# KiCad board motorgo_core_panel.kicad_pcb
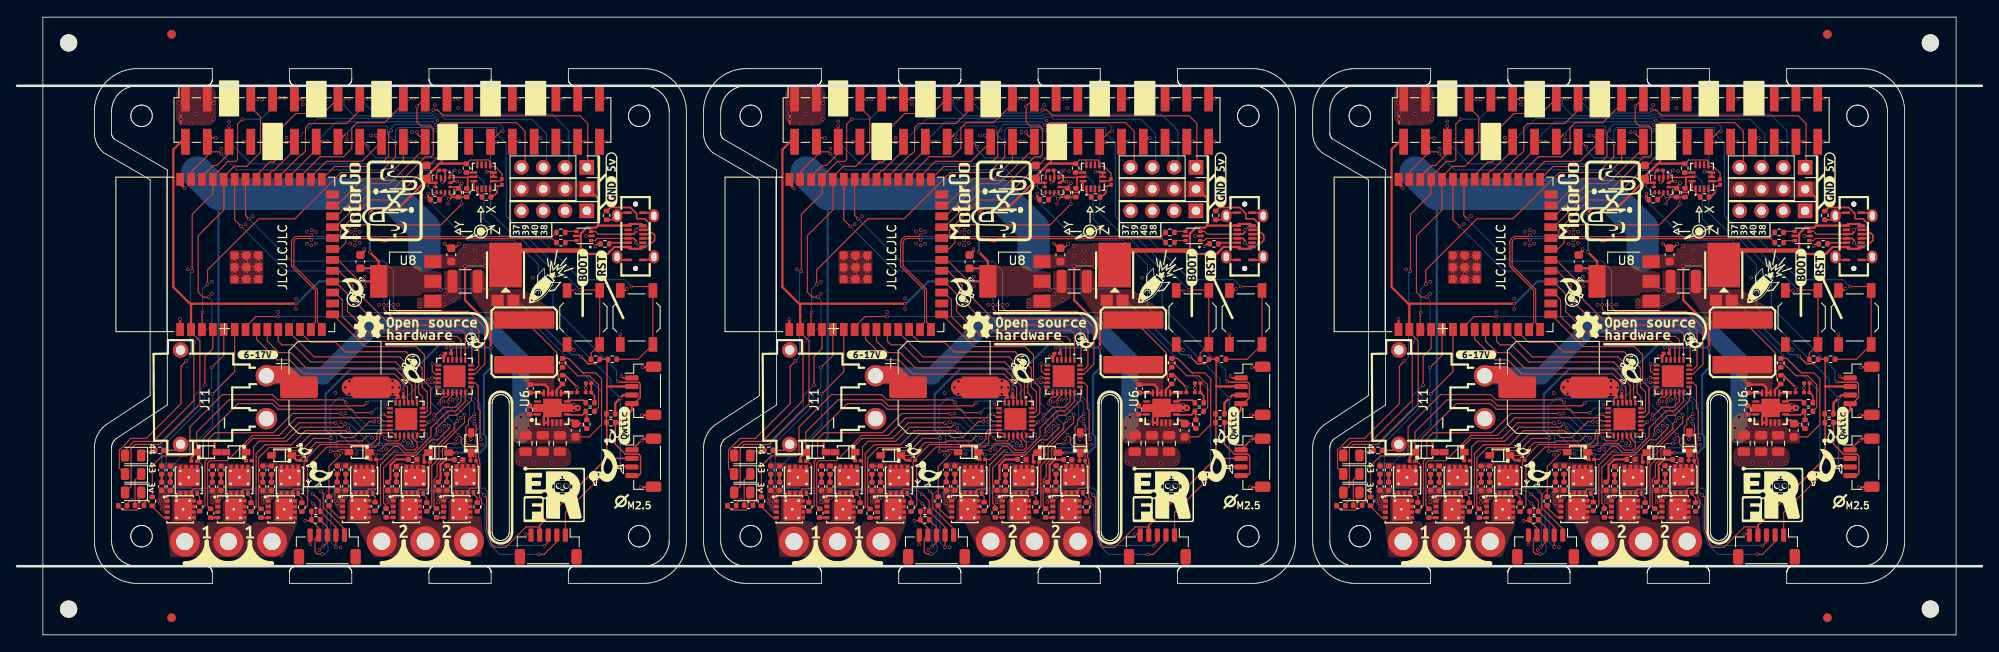
[diagram p0: board, top side]
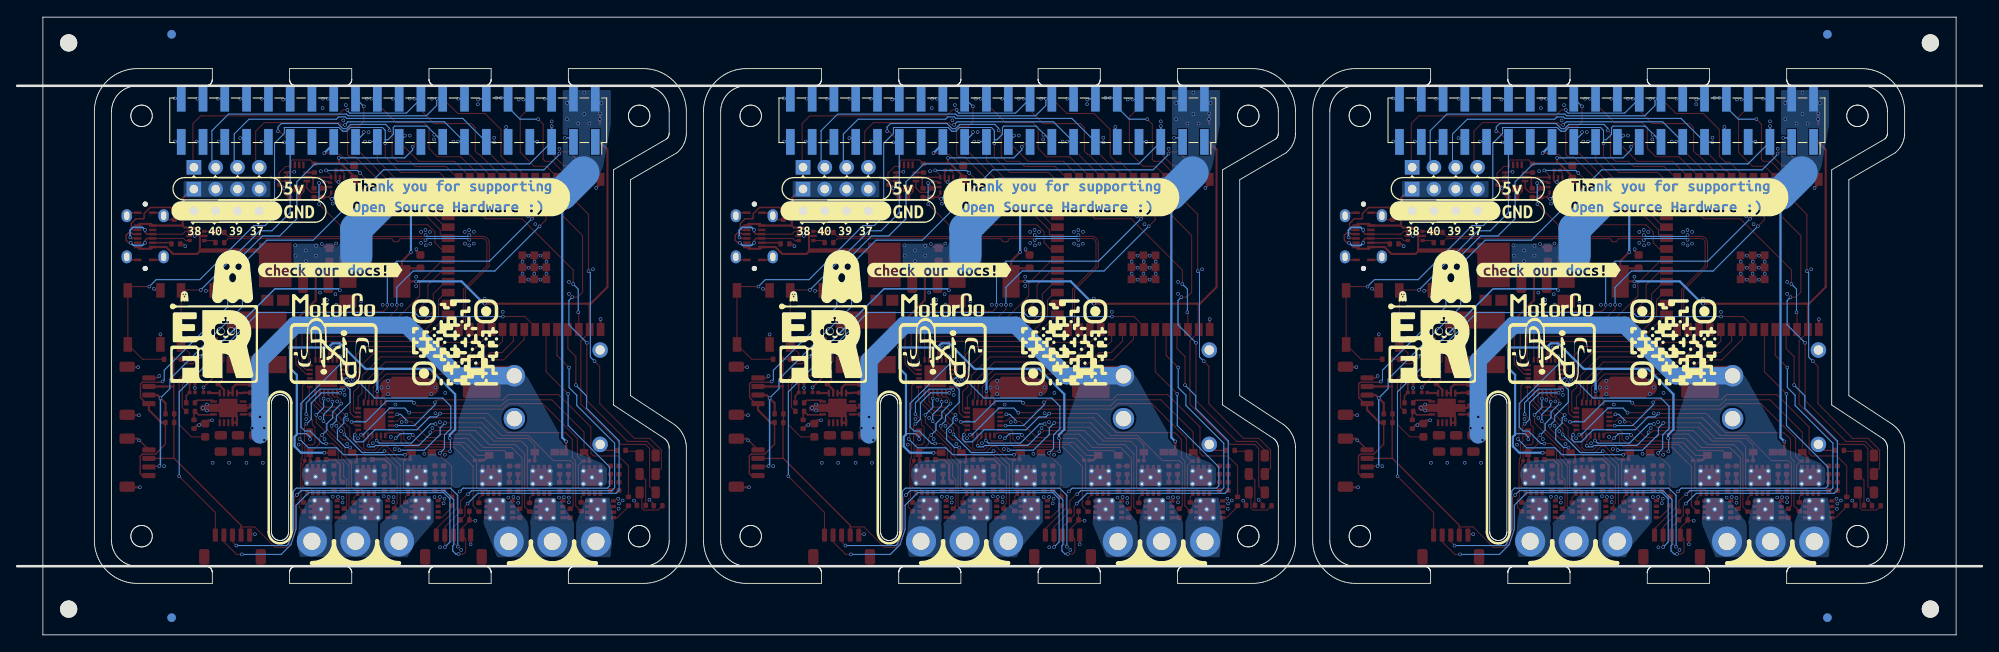
[diagram p1: board, bottom side, seen from below]

Outline 229 x 72 mm; copper layers: Top, In1.Cu, In2.Cu, Bottom. Coordinates in mm from the lower left corner of the outline.
Stack: Top 0.035mm / dielectric 0.1mm FR4 er 4.5 / In1.Cu 0.018mm / dielectric 1.24mm FR4 er 4.5 / In2.Cu 0.018mm / dielectric 0.1mm FR4 er 4.5 / Bottom 0.035mm

## Placement (name value [footprint] x y rotation side)
C1  68pf 10v  [C_0201_0603Metric]  137.6 29.35 180 top
C1#2  68pf 10v  [C_0201_0603Metric]  208.6 29.35 180 top
C1#3  68pf 10v  [C_0201_0603Metric]  66.61 29.35 180 top
C2  4.7uF 1mOhm 25v  [C_0805_2012Metric]  134.26 22.31 270 top
C2#2  4.7uF 1mOhm 25v  [C_0805_2012Metric]  205.26 22.31 270 top
C2#3  4.7uF 1mOhm 25v  [C_0805_2012Metric]  63.27 22.31 270 top
C3  100nF 25v  [C_0201_0603Metric]  44.7 27.75 180 top
C3#2  100nF 25v  [C_0201_0603Metric]  186.7 27.75 180 top
C3#3  100nF 25v  [C_0201_0603Metric]  115.7 27.75 180 top
C4  100nF 10v  [C_0201_0603Metric]  20.62 20.25 180 top
C4#2  100nF 10v  [C_0201_0603Metric]  91.62 20.25 180 top
C4#3  100nF 10v  [C_0201_0603Metric]  162.62 20.25 180 top
C5  22uF 10v  [C_0402_1005Metric]  87.85 19.2 90 top
C5#2  22uF 10v  [C_0402_1005Metric]  16.85 19.2 90 top
C5#3  22uF 10v  [C_0402_1005Metric]  158.85 19.2 90 top
C6  22uF 10v  [C_0402_1005Metric]  16.85 17.31 90 top
C6#2  22uF 10v  [C_0402_1005Metric]  158.85 17.31 90 top
C6#3  22uF 10v  [C_0402_1005Metric]  87.85 17.31 90 top
C7  22uF 10v  [C_0402_1005Metric]  17.85 19.2 90 top
C7#2  22uF 10v  [C_0402_1005Metric]  88.85 19.2 90 top
C7#3  22uF 10v  [C_0402_1005Metric]  159.85 19.2 90 top
C8  22uF 10v  [C_0402_1005Metric]  17.85 17.31 90 top
C8#2  22uF 10v  [C_0402_1005Metric]  159.85 17.31 90 top
C8#3  22uF 10v  [C_0402_1005Metric]  88.85 17.31 90 top
C9  100nF 10v  [C_0201_0603Metric]  27 20.3 180 top
C9#2  100nF 10v  [C_0201_0603Metric]  98 20.3 180 top
C9#3  100nF 10v  [C_0201_0603Metric]  169 20.3 180 top
C10  22uF 10v  [C_0402_1005Metric]  93.75 19.2 90 top
C10#2  22uF 10v  [C_0402_1005Metric]  164.75 19.2 90 top
C10#3  22uF 10v  [C_0402_1005Metric]  22.75 19.2 90 top
C11  22uF 10v  [C_0402_1005Metric]  93.75 17.3 90 top
C11#2  22uF 10v  [C_0402_1005Metric]  164.75 17.3 90 top
C11#3  22uF 10v  [C_0402_1005Metric]  22.75 17.3 90 top
C12  22uF 10v  [C_0402_1005Metric]  23.75 19.2 90 top
C12#2  22uF 10v  [C_0402_1005Metric]  94.75 19.2 90 top
C12#3  22uF 10v  [C_0402_1005Metric]  165.75 19.2 90 top
C13  22uF 10v  [C_0402_1005Metric]  94.75 17.3 90 top
C13#2  22uF 10v  [C_0402_1005Metric]  23.75 17.3 90 top
C13#3  22uF 10v  [C_0402_1005Metric]  165.75 17.3 90 top
C14  22uF 10v  [C_0402_1005Metric]  170.63 19.2 90 top
C14#2  22uF 10v  [C_0402_1005Metric]  99.63 19.2 90 top
C14#3  22uF 10v  [C_0402_1005Metric]  28.63 19.2 90 top
C15  4.7uF 1mOhm 25v  [C_0805_2012Metric]  203.26 22.31 270 top
C15#2  4.7uF 1mOhm 25v  [C_0805_2012Metric]  61.27 22.31 270 top
C15#3  4.7uF 1mOhm 25v  [C_0805_2012Metric]  132.26 22.31 270 top
C16  470uF 35V  [CP_Elec_10x10.5]  179.05 28.85 0 top
C16#2  470uF 35V  [CP_Elec_10x10.5]  37.05 28.85 0 top
C16#3  470uF 35V  [CP_Elec_10x10.5]  108.05 28.85 0 top
C17  4.7uF 1mOhm  [C_0603_1608Metric]  207.09 23.85 90 top
C17#2  4.7uF 1mOhm  [C_0603_1608Metric]  136.09 23.85 90 top
C17#3  4.7uF 1mOhm  [C_0603_1608Metric]  65.08 23.85 90 top
C18  2.2nF 0Ohm  [C_0201_0603Metric]  135.96 28.25 0 top
C18#2  2.2nF 0Ohm  [C_0201_0603Metric]  64.96 28.25 0 top
C18#3  2.2nF 0Ohm  [C_0201_0603Metric]  206.96 28.25 0 top
C19  4.7uF 1mOhm  [C_0805_2012Metric]  59.27 22.31 270 top
C19#2  4.7uF 1mOhm  [C_0805_2012Metric]  201.26 22.31 270 top
C19#3  4.7uF 1mOhm  [C_0805_2012Metric]  130.26 22.31 270 top
C20  6.8nf 10v  [C_0201_0603Metric]  66.58 28.25 180 top
C20#2  6.8nf 10v  [C_0201_0603Metric]  208.59 28.25 180 top
C20#3  6.8nf 10v  [C_0201_0603Metric]  137.59 28.25 180 top
C21  22uF 10v  [C_0402_1005Metric]  28.63 17.3 90 top
C21#2  22uF 10v  [C_0402_1005Metric]  99.63 17.3 90 top
C21#3  22uF 10v  [C_0402_1005Metric]  170.63 17.3 90 top
C22  100nf 280mOhm  [C_0402_1005Metric]  130.8 28.7 270 top
C22#2  100nf 280mOhm  [C_0402_1005Metric]  59.8 28.7 270 top
C22#3  100nf 280mOhm  [C_0402_1005Metric]  201.8 28.7 270 top
C23  47uF 3mOhm 25v  [C_1210_3225Metric]  194.2 41.2 180 top
C23#2  47uF 3mOhm 25v  [C_1210_3225Metric]  52.2 41.2 180 top
C23#3  47uF 3mOhm 25v  [C_1210_3225Metric]  123.2 41.2 180 top
C24  22uF 16v  [C_0603_1608Metric]  192.6 44.3 90 top
C24#2  22uF 16v  [C_0603_1608Metric]  50.6 44.3 90 top
C24#3  22uF 16v  [C_0603_1608Metric]  121.6 44.3 90 top
C25  22uF 16v  [C_0603_1608Metric]  182 43.5 90 top
C25#2  22uF 16v  [C_0603_1608Metric]  40 43.5 90 top
C25#3  22uF 16v  [C_0603_1608Metric]  111 43.5 90 top
C26  100nF 10v  [C_0201_0603Metric]  175.35 20.35 180 top
C26#2  100nF 10v  [C_0201_0603Metric]  33.35 20.35 180 top
C26#3  100nF 10v  [C_0201_0603Metric]  104.35 20.35 180 top
C27  22uF 10v  [C_0402_1005Metric]  29.63 19.2 90 top
C27#2  22uF 10v  [C_0402_1005Metric]  171.63 19.2 90 top
C27#3  22uF 10v  [C_0402_1005Metric]  100.63 19.2 90 top
C28  22uF 10v  [C_0402_1005Metric]  29.63 17.3 90 top
C28#2  22uF 10v  [C_0402_1005Metric]  100.63 17.3 90 top
C28#3  22uF 10v  [C_0402_1005Metric]  171.63 17.3 90 top
C30  100nF 10v  [C_0201_0603Metric]  191.5 54.14 180 top
C30#2  100nF 10v  [C_0201_0603Metric]  49.5 54.14 180 top
C30#3  100nF 10v  [C_0201_0603Metric]  120.5 54.14 180 top
C31  100nF 10v  [C_0201_0603Metric]  198.5 52.8 270 top
C31#2  100nF 10v  [C_0201_0603Metric]  56.5 52.8 270 top
C31#3  100nF 10v  [C_0201_0603Metric]  127.5 52.8 270 top
C32  1uF 10v  [C_0603_1608Metric]  118.73 53.94 90 top
C32#2  1uF 10v  [C_0603_1608Metric]  189.73 53.94 90 top
C32#3  1uF 10v  [C_0603_1608Metric]  47.73 53.94 90 top
C33  100nF 25v  [C_0201_0603Metric]  121.22 32.8 180 top
C33#2  100nF 25v  [C_0201_0603Metric]  192.22 32.8 180 top
C33#3  100nF 25v  [C_0201_0603Metric]  50.22 32.8 180 top
C34  100nF 10v  [C_0201_0603Metric]  183.5 20.45 180 top
C34#2  100nF 10v  [C_0201_0603Metric]  41.5 20.45 180 top
C34#3  100nF 10v  [C_0201_0603Metric]  112.5 20.45 180 top
C35  22uF 10v  [C_0402_1005Metric]  108.3 19.23 90 top
C35#2  22uF 10v  [C_0402_1005Metric]  179.3 19.23 90 top
C35#3  22uF 10v  [C_0402_1005Metric]  37.3 19.23 90 top
C36  22uF 10v  [C_0402_1005Metric]  108.3 17.33 90 top
C36#2  22uF 10v  [C_0402_1005Metric]  179.3 17.33 90 top
C36#3  22uF 10v  [C_0402_1005Metric]  37.3 17.33 90 top
C37  22uF 10v  [C_0402_1005Metric]  109.3 19.23 90 top
C37#2  22uF 10v  [C_0402_1005Metric]  38.3 19.23 90 top
C37#3  22uF 10v  [C_0402_1005Metric]  180.3 19.23 90 top
C38  22uF 10v  [C_0402_1005Metric]  109.3 17.33 90 top
C38#2  22uF 10v  [C_0402_1005Metric]  180.3 17.33 90 top
C38#3  22uF 10v  [C_0402_1005Metric]  38.3 17.33 90 top
C39  100nF 10v  [C_0201_0603Metric]  47.8 20.15 180 top
C39#2  100nF 10v  [C_0201_0603Metric]  118.8 20.15 180 top
C39#3  100nF 10v  [C_0201_0603Metric]  189.8 20.15 180 top
C40  22uF 10v  [C_0402_1005Metric]  46.1 20.45 0 top
C40#2  22uF 10v  [C_0402_1005Metric]  117.1 20.45 0 top
C40#3  22uF 10v  [C_0402_1005Metric]  188.1 20.45 0 top
C41  22uF 10v  [C_0402_1005Metric]  185.2 17.33 90 top
C41#2  22uF 10v  [C_0402_1005Metric]  43.2 17.33 90 top
C41#3  22uF 10v  [C_0402_1005Metric]  114.2 17.33 90 top
C42  22uF 10v  [C_0402_1005Metric]  186.2 19.16 90 top
C42#2  22uF 10v  [C_0402_1005Metric]  44.2 19.16 90 top
C42#3  22uF 10v  [C_0402_1005Metric]  115.2 19.16 90 top
C43  22uF 10v  [C_0402_1005Metric]  44.2 17.33 90 top
C43#2  22uF 10v  [C_0402_1005Metric]  186.2 17.33 90 top
C43#3  22uF 10v  [C_0402_1005Metric]  115.2 17.33 90 top
C44  22uF 10v  [C_0402_1005Metric]  51.45 20.42 0 top
C44#2  22uF 10v  [C_0402_1005Metric]  193.45 20.42 0 top
C44#3  22uF 10v  [C_0402_1005Metric]  122.45 20.42 0 top
C45  22uF 10v  [C_0402_1005Metric]  191.08 17.33 90 top
C45#2  22uF 10v  [C_0402_1005Metric]  120.08 17.33 90 top
C45#3  22uF 10v  [C_0402_1005Metric]  49.08 17.33 90 top
C46  100nF 10v  [C_0201_0603Metric]  124.15 20.3 180 top
C46#2  100nF 10v  [C_0201_0603Metric]  53.15 20.3 180 top
C46#3  100nF 10v  [C_0201_0603Metric]  195.15 20.3 180 top
C47  22uF 10v  [C_0402_1005Metric]  192.08 19.23 90 top
C47#2  22uF 10v  [C_0402_1005Metric]  50.08 19.23 90 top
C47#3  22uF 10v  [C_0402_1005Metric]  121.08 19.23 90 top
C48  22uF 10v  [C_0402_1005Metric]  192.08 17.33 90 top
C48#2  22uF 10v  [C_0402_1005Metric]  50.08 17.33 90 top
C48#3  22uF 10v  [C_0402_1005Metric]  121.08 17.33 90 top
D1  LED blue  [LED_0805_2012Metric]  155.51 20.9 180 top
D1#2  LED blue  [LED_0805_2012Metric]  84.51 20.9 180 top
D1#3  LED blue  [LED_0805_2012Metric]  13.51 20.9 180 top
D2  LED green  [LED_0805_2012Metric]  84.51 18.75 180 top
D2#2  LED green  [LED_0805_2012Metric]  13.51 18.75 180 top
D2#3  LED green  [LED_0805_2012Metric]  155.51 18.75 180 top
D3  LED red  [LED_0805_2012Metric]  84.51 16.6 180 top
D3#2  LED red  [LED_0805_2012Metric]  13.51 16.6 180 top
D3#3  LED red  [LED_0805_2012Metric]  155.51 16.6 180 top
D4  Schottky_SB1045L_C908747  [TO-277_3P-L5.4-W4.0-LS6.5-TR]  127.92 41.05 270 top
D4#2  Schottky_SB1045L_C908747  [TO-277_3P-L5.4-W4.0-LS6.5-TR]  198.92 41.05 270 top
D4#3  Schottky_SB1045L_C908747  [TO-277_3P-L5.4-W4.0-LS6.5-TR]  56.92 41.05 270 top
D5  D_Schottky C7420331  [B5819WS_SOD-323]  164.1 21.3 0 top
D5#2  D_Schottky C7420331  [B5819WS_SOD-323]  93.1 21.3 0 top
D5#3  D_Schottky C7420331  [B5819WS_SOD-323]  22.1 21.3 0 top
D6  D_Schottky C7420331  [B5819WS_SOD-323]  96.5 21.3 180 top
D6#2  D_Schottky C7420331  [B5819WS_SOD-323]  25.5 21.3 180 top
D6#3  D_Schottky C7420331  [B5819WS_SOD-323]  167.5 21.3 180 top
D7  D_Schottky C7420331  [B5819WS_SOD-323]  172.82 20.92 180 top
D7#2  D_Schottky C7420331  [B5819WS_SOD-323]  101.82 20.92 180 top
D7#3  D_Schottky C7420331  [B5819WS_SOD-323]  30.82 20.92 180 top
D8  D_Schottky C7420331  [B5819WS_SOD-323]  39.85 21.3 180 top
D8#2  D_Schottky C7420331  [B5819WS_SOD-323]  110.85 21.3 180 top
D8#3  D_Schottky C7420331  [B5819WS_SOD-323]  181.85 21.3 180 top
D9  D_Schottky C7420331  [B5819WS_SOD-323]  49.12 21.24 0 top
D9#2  D_Schottky C7420331  [B5819WS_SOD-323]  191.12 21.24 0 top
D9#3  D_Schottky C7420331  [B5819WS_SOD-323]  120.12 21.24 0 top
D10  D_Schottky C7420331  [B5819WS_SOD-323]  194.91 22.4 90 top
D10#2  D_Schottky C7420331  [B5819WS_SOD-323]  52.91 22.4 90 top
D10#3  D_Schottky C7420331  [B5819WS_SOD-323]  123.91 22.4 90 top
J1  USB4520-03-0-A_REVA  [USB-C-SMD_TYPEC-303-ACP16]  214.08 46.46 90 top
J1#2  USB4520-03-0-A_REVA  [USB-C-SMD_TYPEC-303-ACP16]  72.08 46.46 90 top
J1#3  USB4520-03-0-A_REVA  [USB-C-SMD_TYPEC-303-ACP16]  143.08 46.46 90 top
J2  C2886897  [SW_SPST_TL3342]  208 37 90 top
J2#2  C2886897  [SW_SPST_TL3342]  66 37 90 top
J2#3  C2886897  [SW_SPST_TL3342]  137 37 90 top
J3  C2886897  [SW_SPST_TL3342]  72.2 37 270 top
J3#2  C2886897  [SW_SPST_TL3342]  143.2 37 270 top
J3#3  C2886897  [SW_SPST_TL3342]  214.2 37 270 top
J4  Conn_02x20_Odd_Even  [PinSocket_2x20_P2.54mm_Vertical_SMD]  185.74 60.01 90 top
J4#2  Conn_02x20_Odd_Even  [PinSocket_2x20_P2.54mm_Vertical_SMD]  114.74 60.01 90 top
J4#3  Conn_02x20_Odd_Even  [PinSocket_2x20_P2.54mm_Vertical_SMD]  43.74 60.01 90 top
J5  Conn_01x04_Pin  [PinHeader_1x04_P2.54mm_Vertical]  137.4 54.5 270 top  (not fitted)
J5#2  Conn_01x04_Pin  [PinHeader_1x04_P2.54mm_Vertical]  208.4 54.5 270 top  (not fitted)
J5#3  Conn_01x04_Pin  [PinHeader_1x04_P2.54mm_Vertical]  66.4 54.5 270 top  (not fitted)
J6  DNP  [3 phase motor]  166.62 10.87 0 top  (not fitted)
J6#2  DNP  [3 phase motor]  95.62 10.87 0 top  (not fitted)
J6#3  DNP  [3 phase motor]  24.62 10.87 0 top  (not fitted)
J7  Conn_02x20_Odd_Even  [PinSocket_2x20_P2.54mm_Vertical_SMD]  43.75 59.98 270 bottom
J7#2  Conn_02x20_Odd_Even  [PinSocket_2x20_P2.54mm_Vertical_SMD]  114.75 59.98 270 bottom
J7#3  Conn_02x20_Odd_Even  [PinSocket_2x20_P2.54mm_Vertical_SMD]  185.75 59.98 270 bottom
J8  DNP  [3 phase motor]  47.57 10.9 0 top  (not fitted)
J8#2  DNP  [3 phase motor]  189.57 10.9 0 top  (not fitted)
J8#3  DNP  [3 phase motor]  118.57 10.9 0 top  (not fitted)
J9  Conn_01x04_Pin  [PinHeader_1x04_P2.54mm_Vertical]  137.4 49.42 270 top  (not fitted)
J9#2  Conn_01x04_Pin  [PinHeader_1x04_P2.54mm_Vertical]  66.4 49.42 270 top  (not fitted)
J9#3  Conn_01x04_Pin  [PinHeader_1x04_P2.54mm_Vertical]  208.4 49.42 270 top  (not fitted)
J11  xt30  [CONN-TH_XT30PW-M]  166.05 27.7 270 top
J11#2  xt30  [CONN-TH_XT30PW-M]  24.05 27.7 270 top
J11#3  xt30  [CONN-TH_XT30PW-M]  95.05 27.7 270 top
J12  Conn_01x04_Pin  [PinHeader_1x04_P2.54mm_Vertical]  208.4 51.96 270 top  (not fitted)
J12#2  Conn_01x04_Pin  [PinHeader_1x04_P2.54mm_Vertical]  66.4 51.96 270 top  (not fitted)
J12#3  Conn_01x04_Pin  [PinHeader_1x04_P2.54mm_Vertical]  137.4 51.96 270 top  (not fitted)
J13  I2C_STANDARDQWIIC  [JST_SH_BM04B-SRSS-TB_1x04-1MP_P1.00mm_Vertical]  214.97 28.45 270 top
J13#2  I2C_STANDARDQWIIC  [JST_SH_BM04B-SRSS-TB_1x04-1MP_P1.00mm_Vertical]  143.97 28.45 270 top
J13#3  I2C_STANDARDQWIIC  [JST_SH_BM04B-SRSS-TB_1x04-1MP_P1.00mm_Vertical]  72.97 28.45 270 top
J15  I2C_STANDARDQWIIC  [JST_SH_BM04B-SRSS-TB_1x04-1MP_P1.00mm_Vertical]  214.97 20.07 270 top
J15#2  I2C_STANDARDQWIIC  [JST_SH_BM04B-SRSS-TB_1x04-1MP_P1.00mm_Vertical]  143.97 20.07 270 top
J15#3  I2C_STANDARDQWIIC  [JST_SH_BM04B-SRSS-TB_1x04-1MP_P1.00mm_Vertical]  72.97 20.07 270 top
J16  BM05B-SRSS-TB_LF__SN_  [JST_SH_BM05B-SRSS-TB_1x05-1MP_P1.00mm_Vertical]  36.15 10.3 180 top
J16#2  BM05B-SRSS-TB_LF__SN_  [JST_SH_BM05B-SRSS-TB_1x05-1MP_P1.00mm_Vertical]  178.15 10.3 180 top
J16#3  BM05B-SRSS-TB_LF__SN_  [JST_SH_BM05B-SRSS-TB_1x05-1MP_P1.00mm_Vertical]  107.15 10.3 180 top
J18  BM05B-SRSS-TB_LF__SN_  [JST_SH_BM05B-SRSS-TB_1x05-1MP_P1.00mm_Vertical]  61.9 10.3 180 top
J18#2  BM05B-SRSS-TB_LF__SN_  [JST_SH_BM05B-SRSS-TB_1x05-1MP_P1.00mm_Vertical]  132.9 10.3 180 top
J18#3  BM05B-SRSS-TB_LF__SN_  [JST_SH_BM05B-SRSS-TB_1x05-1MP_P1.00mm_Vertical]  203.9 10.3 180 top
kibuzzard-670FEBB5  G***  [kibuzzard-670FEBB5]  170.05 32.65 0 top
kibuzzard-670FEBB5#2  G***  [kibuzzard-670FEBB5]  99.05 32.65 0 top
kibuzzard-670FEBB5#3  G***  [kibuzzard-670FEBB5]  28.05 32.65 0 top
kibuzzard-6740A48B  G***  [kibuzzard-6740A48B]  141.79 24.38 90 top
kibuzzard-6740A48B#2  G***  [kibuzzard-6740A48B]  70.79 24.38 90 top
kibuzzard-6740A48B#3  G***  [kibuzzard-6740A48B]  212.79 24.38 90 top
kibuzzard-6740A353  G***  [kibuzzard-6740A353]  190.33 35.7 0 top
kibuzzard-6740A353#2  G***  [kibuzzard-6740A353]  48.33 35.7 0 top
kibuzzard-6740A353#3  G***  [kibuzzard-6740A353]  119.33 35.7 0 top
kibuzzard-6740A543  G***  [kibuzzard-6740A543]  68.1 43.02 90 top
kibuzzard-6740A543#2  G***  [kibuzzard-6740A543]  210.1 43.02 90 top
kibuzzard-6740A543#3  G***  [kibuzzard-6740A543]  139.1 43.02 90 top
kibuzzard-6740A668  G***  [kibuzzard-6740A668]  27.1 11.98 0 top
kibuzzard-6740A668#2  G***  [kibuzzard-6740A668]  93.07 11.98 0 top
kibuzzard-6740A668#3  G***  [kibuzzard-6740A668]  22.07 11.98 0 top
kibuzzard-6740A668#4  G***  [kibuzzard-6740A668]  164.07 11.98 0 top
kibuzzard-6740A668#5  G***  [kibuzzard-6740A668]  169.1 11.98 0 top
kibuzzard-6740A668#6  G***  [kibuzzard-6740A668]  98.1 11.98 0 top
kibuzzard-6740A681  G***  [kibuzzard-6740A681]  116.04 12.08 0 top
kibuzzard-6740A681#2  G***  [kibuzzard-6740A681]  50.07 12.08 0 top
kibuzzard-6740A681#3  G***  [kibuzzard-6740A681]  121.07 12.08 0 top
kibuzzard-6740A681#4  G***  [kibuzzard-6740A681]  187.04 12.08 0 top
kibuzzard-6740A681#5  G***  [kibuzzard-6740A681]  45.04 12.08 0 top
kibuzzard-6740A681#6  G***  [kibuzzard-6740A681]  192.07 12.08 0 top
kibuzzard-6740AFFF  G***  [kibuzzard-6740AFFF]  125.74 52.06 180 bottom
kibuzzard-6740AFFF#2  G***  [kibuzzard-6740AFFF]  196.74 52.06 180 bottom
kibuzzard-6740AFFF#3  G***  [kibuzzard-6740AFFF]  54.74 52.06 180 bottom
kibuzzard-6740B00B  G***  [kibuzzard-6740B00B]  54.13 49.32 180 bottom
kibuzzard-6740B00B#2  G***  [kibuzzard-6740B00B]  125.13 49.32 180 bottom
kibuzzard-6740B00B#3  G***  [kibuzzard-6740B00B]  196.13 49.32 180 bottom
kibuzzard-6740B0CA  G***  [kibuzzard-6740B0CA]  136.91 42.82 90 top
kibuzzard-6740B0CA#2  G***  [kibuzzard-6740B0CA]  65.91 42.82 90 top
kibuzzard-6740B0CA#3  G***  [kibuzzard-6740B0CA]  207.91 42.82 90 top
kibuzzard-6740B1FD  G***  [kibuzzard-6740B1FD]  69.27 51.66 90 top
kibuzzard-6740B1FD#2  G***  [kibuzzard-6740B1FD]  211.27 51.66 90 top
kibuzzard-6740B1FD#3  G***  [kibuzzard-6740B1FD]  140.27 51.66 90 top
kibuzzard-6740B03C  G***  [kibuzzard-6740B03C]  204.71 47.08 180 bottom
kibuzzard-6740B03C#2  G***  [kibuzzard-6740B03C]  133.71 47.08 180 bottom
kibuzzard-6740B03C#3  G***  [kibuzzard-6740B03C]  62.71 47.08 180 bottom
kibuzzard-6740B20C  G***  [kibuzzard-6740B20C]  211.27 54.75 90 top
kibuzzard-6740B20C#2  G***  [kibuzzard-6740B20C]  69.27 54.75 90 top
kibuzzard-6740B20C#3  G***  [kibuzzard-6740B20C]  140.27 54.75 90 top
kibuzzard-6740E9DD  G***  [kibuzzard-6740E9DD]  107.3 51 180 bottom
kibuzzard-6740E9DD#2  G***  [kibuzzard-6740E9DD]  178.3 51 180 bottom
kibuzzard-6740E9DD#3  G***  [kibuzzard-6740E9DD]  36.3 51 180 bottom
kibuzzard-6740EACA  G***  [kibuzzard-6740EACA]  121.51 42.53 180 bottom
kibuzzard-6740EACA#2  G***  [kibuzzard-6740EACA]  192.51 42.53 180 bottom
kibuzzard-6740EACA#3  G***  [kibuzzard-6740EACA]  50.51 42.53 180 bottom
kibuzzard-67324B8C  G***  [kibuzzard-67324B8C]  15.75 21.65 270 top
kibuzzard-67324B8C#2  G***  [kibuzzard-67324B8C]  86.75 21.65 270 top
kibuzzard-67324B8C#3  G***  [kibuzzard-67324B8C]  157.75 21.65 270 top
kibuzzard-67324B68  G***  [kibuzzard-67324B68]  157.7 17.15 270 top
kibuzzard-67324B68#2  G***  [kibuzzard-67324B68]  15.7 17.15 270 top
kibuzzard-67324B68#3  G***  [kibuzzard-67324B68]  86.7 17.15 270 top
kibuzzard-67324B83  G***  [kibuzzard-67324B83]  157.75 19.5 270 top
kibuzzard-67324B83#2  G***  [kibuzzard-67324B83]  86.75 19.5 270 top
kibuzzard-67324B83#3  G***  [kibuzzard-67324B83]  15.75 19.5 270 top
kibuzzard-673237E1  G***  [kibuzzard-673237E1]  201.79 47.19 90 top
kibuzzard-673237E1#2  G***  [kibuzzard-673237E1]  130.79 47.19 90 top
kibuzzard-673237E1#3  G***  [kibuzzard-673237E1]  59.79 47.19 90 top
KiKit_FID_B_1  -  [Fiducial]  18 70 0 bottom
KiKit_FID_B_2  -  [Fiducial]  211 70 0 bottom
KiKit_FID_B_3  -  [Fiducial]  18 2 0 bottom
KiKit_FID_B_4  -  [Fiducial]  211 2 0 bottom
KiKit_FID_T_1  -  [Fiducial]  18 70 0 top
KiKit_FID_T_2  -  [Fiducial]  211 70 0 top
KiKit_FID_T_3  -  [Fiducial]  18 2 0 top
KiKit_FID_T_4  -  [Fiducial]  211 2 0 top
KiKit_TO_1  -  [NPTH]  6 69 0 top
KiKit_TO_2  -  [NPTH]  223 69 0 top
KiKit_TO_3  -  [NPTH]  6 3 0 top
KiKit_TO_4  -  [NPTH]  223 3 0 top
L1  2.2uH 12.7mOhm C5440776  [IND-SMD_L6.6-W6.4_CKSTT0610]  201.1 34.1 90 top
L1#2  2.2uH 12.7mOhm C5440776  [IND-SMD_L6.6-W6.4_CKSTT0610]  59.1 34.1 90 top
L1#3  2.2uH 12.7mOhm C5440776  [IND-SMD_L6.6-W6.4_CKSTT0610]  130.1 34.1 90 top
Q1  AP30H80Q  [AP30H80Q_DFN-8]  162 18 0 top
Q1#2  AP30H80Q  [AP30H80Q_DFN-8]  20 18 0 top
Q1#3  AP30H80Q  [AP30H80Q_DFN-8]  91 18 0 top
Q2  AP30H80Q  [AP30H80Q_DFN-8]  161 14.64 270 top
Q2#2  AP30H80Q  [AP30H80Q_DFN-8]  90 14.64 270 top
Q2#3  AP30H80Q  [AP30H80Q_DFN-8]  19 14.64 270 top
Q3  AP30H80Q  [AP30H80Q_DFN-8]  167.9 18 0 top
Q3#2  AP30H80Q  [AP30H80Q_DFN-8]  96.9 18 0 top
Q3#3  AP30H80Q  [AP30H80Q_DFN-8]  25.9 18 0 top
Q4  AP30H80Q  [AP30H80Q_DFN-8]  166.9 14.63 270 top
Q4#2  AP30H80Q  [AP30H80Q_DFN-8]  95.9 14.63 270 top
Q4#3  AP30H80Q  [AP30H80Q_DFN-8]  24.9 14.63 270 top
Q5  AP30H80Q  [AP30H80Q_DFN-8]  31.78 18 0 top
Q5#2  AP30H80Q  [AP30H80Q_DFN-8]  102.78 18 0 top
Q5#3  AP30H80Q  [AP30H80Q_DFN-8]  173.78 18 0 top
Q6  AP30H80Q  [AP30H80Q_DFN-8]  30.78 14.63 270 top
Q6#2  AP30H80Q  [AP30H80Q_DFN-8]  172.78 14.63 270 top
Q6#3  AP30H80Q  [AP30H80Q_DFN-8]  101.78 14.63 270 top
Q7  AP30H80Q  [AP30H80Q_DFN-8]  182.45 17.99 0 top
Q7#2  AP30H80Q  [AP30H80Q_DFN-8]  111.45 17.99 0 top
Q7#3  AP30H80Q  [AP30H80Q_DFN-8]  40.45 17.99 0 top
Q8  AP30H80Q  [AP30H80Q_DFN-8]  110.45 14.66 270 top
Q8#2  AP30H80Q  [AP30H80Q_DFN-8]  39.45 14.66 270 top
Q8#3  AP30H80Q  [AP30H80Q_DFN-8]  181.45 14.66 270 top
Q9  AP30H80Q  [AP30H80Q_DFN-8]  46.35 18 0 top
Q9#2  AP30H80Q  [AP30H80Q_DFN-8]  117.35 18 0 top
Q9#3  AP30H80Q  [AP30H80Q_DFN-8]  188.35 18 0 top
Q10  AP30H80Q  [AP30H80Q_DFN-8]  45.35 14.66 270 top
Q10#2  AP30H80Q  [AP30H80Q_DFN-8]  187.35 14.66 270 top
Q10#3  AP30H80Q  [AP30H80Q_DFN-8]  116.35 14.66 270 top
Q11  AP30H80Q  [AP30H80Q_DFN-8]  52.22 18.08 0 top
Q11#2  AP30H80Q  [AP30H80Q_DFN-8]  123.22 18.08 0 top
Q11#3  AP30H80Q  [AP30H80Q_DFN-8]  194.22 18.08 0 top
Q12  AP30H80Q  [AP30H80Q_DFN-8]  122.23 14.66 270 top
Q12#2  AP30H80Q  [AP30H80Q_DFN-8]  51.23 14.66 270 top
Q12#3  AP30H80Q  [AP30H80Q_DFN-8]  193.23 14.66 270 top
R1  1k  [R_0402_1005Metric]  87.6 21.5 0 top
R1#2  1k  [R_0402_1005Metric]  158.6 21.5 0 top
R1#3  1k  [R_0402_1005Metric]  16.6 21.5 0 top
R2  1k  [R_0402_1005Metric]  14.25 15.1 0 top
R2#2  1k  [R_0402_1005Metric]  85.25 15.1 0 top
R2#3  1k  [R_0402_1005Metric]  156.25 15.1 0 top
R3  1k  [R_0402_1005Metric]  12.3 15.05 0 top
R3#2  1k  [R_0402_1005Metric]  154.3 15.05 0 top
R3#3  1k  [R_0402_1005Metric]  83.3 15.05 0 top
R4  5k1  [R_0402_1005Metric]  210.5 45.58 0 top
R4#2  5k1  [R_0402_1005Metric]  139.5 45.58 0 top
R4#3  5k1  [R_0402_1005Metric]  68.5 45.58 0 top
R5  5k1  [R_0402_1005Metric]  68.7 48.9 90 top
R5#2  5k1  [R_0402_1005Metric]  210.7 48.9 90 top
R5#3  5k1  [R_0402_1005Metric]  139.7 48.9 90 top
R6  0  [R_0402_1005Metric]  205.38 45.72 0 top
R6#2  0  [R_0402_1005Metric]  63.38 45.72 0 top
R6#3  0  [R_0402_1005Metric]  134.38 45.72 0 top
R7  0  [R_0402_1005Metric]  205.37 46.91 0 top
R7#2  0  [R_0402_1005Metric]  134.37 46.91 0 top
R7#3  0  [R_0402_1005Metric]  63.37 46.91 0 top
R8  5k1  [R_0402_1005Metric]  67.4 32.12 180 top
R8#2  5k1  [R_0402_1005Metric]  138.4 32.12 180 top
R8#3  5k1  [R_0402_1005Metric]  209.4 32.12 180 top
R9  5k1  [R_0402_1005Metric]  211.38 32.12 0 top
R9#2  5k1  [R_0402_1005Metric]  140.38 32.12 0 top
R9#3  5k1  [R_0402_1005Metric]  69.38 32.12 0 top
R10  2R2  [R_0402_1005Metric]  99.43 14.18 90 top
R10#2  2R2  [R_0402_1005Metric]  170.43 14.18 90 top
R10#3  2R2  [R_0402_1005Metric]  28.43 14.18 90 top
R11  2R2  [R_0402_1005Metric]  104.18 14.88 90 top
R11#2  2R2  [R_0402_1005Metric]  33.18 14.88 90 top
R11#3  2R2  [R_0402_1005Metric]  175.18 14.88 90 top
R12  2R2  [R_0402_1005Metric]  22.55 14.18 90 top
R12#2  2R2  [R_0402_1005Metric]  93.55 14.18 90 top
R12#3  2R2  [R_0402_1005Metric]  164.55 14.18 90 top
R13  2R2  [R_0402_1005Metric]  27.26 14.88 90 top
R13#2  2R2  [R_0402_1005Metric]  98.26 14.88 90 top
R13#3  2R2  [R_0402_1005Metric]  169.26 14.88 90 top